# Altium PCB JTAG批量下载板-V1.6-ASCII.PcbDoc (part 12 of 14) (continued)
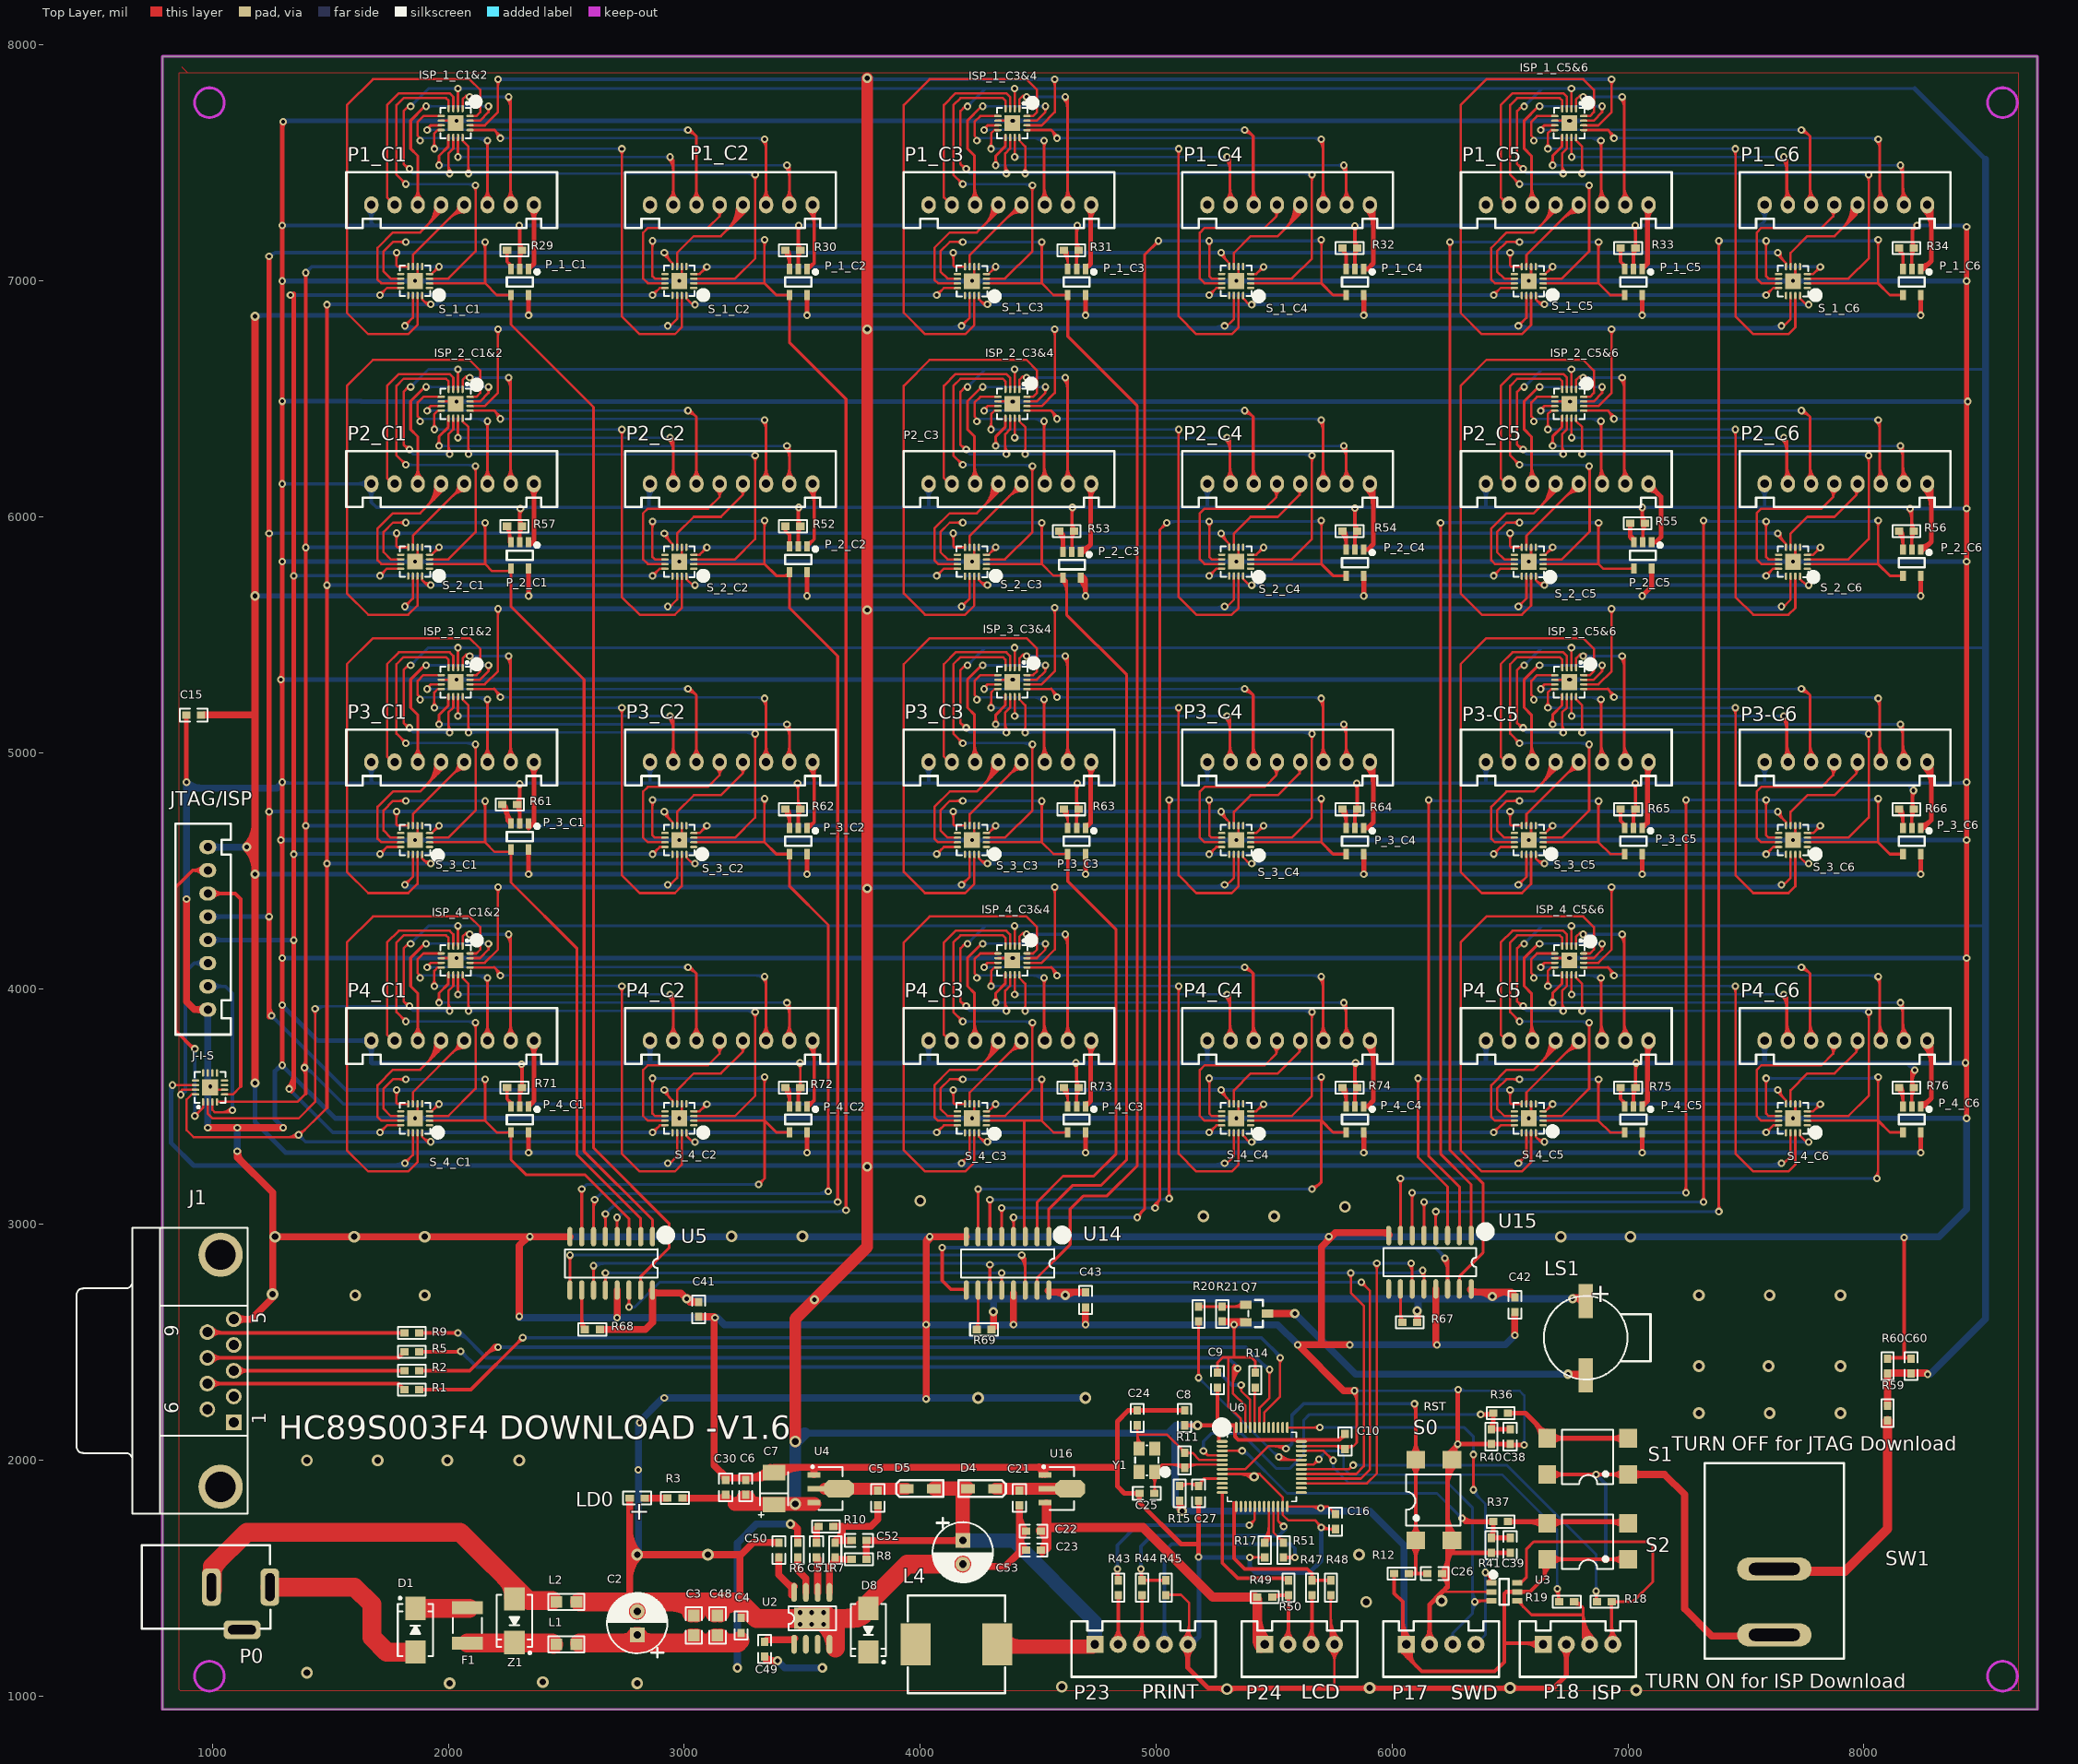
[diagram p0: Top Layer view]
## Nets (pads, with @x,y where several pads share a name; then routed paths per layer and width w, separated by ;. In a path a pad name is that pad's centre, name@x,y a point inside that pad or via, vN(x,y) a via of type N, cw(c..) or ccw(c..) an arc to the next point about the centre after c; other vN are vias at no path point) (continued)
  Top Layer w10: S_3_C1.7@1849.13,4691.05 1849.13,4739.69 P3_C1.4@2064.61,4955.16 ; 2019.39,4909.94 cw(c2066.93,4862.39) P3_C1.4@2066.93,4929.63 ; 2026.27,4916.82 ccw(c1988.45,4954.63) P3_C1.4@2041.93,4954.63 ; 2036.46,4927.01 cw(c2066.93,4896.54) P3_C1.4@2066.93,4939.63 ; 2043.34,4933.89 ccw(c2022.6,4954.63) P3_C1.4@2051.93,4954.63
TCK_3_C2: P3_C2.4 S_3_C2.7 | length 540.3
  Top Layer w10: S_3_C2.7@2969.13,4691.05 2969.13,4749.13 3040,4820 3155,4820 3248.03,4913.03 ; P3_C2.4@3248.03,4952.83 3248.03,4913.03 ; 3248.03,4913.03 cw(c3270.14,4913.03) 3259.76,4932.55 ccw(c3270.14,4913.03) 3248.03,4913.03 ; 3248.03,4913.03 ccw(c3225.92,4913.03) 3236.3,4932.55 cw(c3225.92,4913.03) 3248.03,4913.03
TCK_3_C3: P3_C3.4 S_3_C3.7 | length 486.1
  Top Layer w10: S_3_C3.7@4209.13,4691.05 4209.13,4739.69 P3_C3.4@4424.61,4955.16 ; 4377.83,4908.38 cw(c4429.13,4857.07) P3_C3.4@4429.13,4929.63 ; 4390.03,4920.58 ccw(c4355.98,4954.63) P3_C3.4@4404.13,4954.63 ; 4394.9,4925.45 cw(c4429.13,4891.21) P3_C3.4@4429.13,4939.63
TCK_3_C4: P3_C4.4 S_3_C4.7 | length 541
  Top Layer w10: S_3_C4.7@5329.13,4691.05 5329.13,4749.13 5400,4820 5515,4820 5608.03,4913.03 P3_C4.4@5608.03,4952.83 ; 5608.03,4912.97 cw(c5628.52,4912.97) 5620.29,4931.74 ccw(c5628.52,4912.97) 5608.03,4912.97 ; 5608.03,4912.97 ccw(c5583.57,4912.97) 5596.76,4933.57 cw(c5583.57,4912.97) 5608.03,4912.97
TCK_3_C5: P3-C5.4 S_3_C5.7 | length 490.3
  Top Layer w10: S_3_C5.7@6569.13,4691.05 6569.13,4739.69 P3-C5.4@6784.61,4955.16 ; 6736.27,4906.82 cw(c6791.34,4851.75) P3-C5.4@6791.34,4929.63 ; 6753.34,4923.89 cw(c6791.34,4885.89) P3-C5.4@6791.34,4939.63 ; 6753.79,4924.34 ccw(c6723.51,4954.63) P3-C5.4@6766.34,4954.63
TCK_3_C6: P3-C6.4 S_3_C6.7 | length 543.1
  Top Layer w10: S_3_C6.7@7689.13,4691.05 7689.13,4749.13 7760,4820 7875,4820 7968.03,4913.03 P3-C6.4@7968.03,4952.83 ; 7968.03,4912.8 cw(c7987.48,4912.8) 7980.9,4931.11 ccw(c7987.48,4912.8) 7968.03,4912.8 ; 7968.03,4912.8 ccw(c7940.25,4912.8) 7957.19,4934.82 cw(c7940.25,4912.8) 7968.03,4912.8
TCK_4_C1: P4_C1.4 S_4_C1.7 | length 484
  Top Layer w10: S_4_C1.7@1849.13,3511.05 1849.13,3559.68 P4_C1.4@2064.61,3775.16 ; 2017.5,3728.06 cw(c2066.93,3678.63) P4_C1.4@2066.93,3748.53 ; 2027.05,3737.6 ccw(c1991.11,3773.53) P4_C1.4@2041.93,3773.53 ; 2034.58,3745.13 cw(c2066.93,3712.77) P4_C1.4@2066.93,3758.53
TCK_4_C2: P4_C2.4 S_4_C2.7 | length 534.4
  Top Layer w10: S_4_C2.7@2969.13,3511.05 2969.13,3569.13 3040,3640 3155,3640 3248.03,3733.03 ; P4_C2.4@3248.03,3772.83 3248.03,3733.03 ; 3248.03,3733.03 cw(c3268.33,3733.03) 3259.23,3751.18 ccw(c3268.33,3733.03) 3248.03,3733.03 ; 3248.03,3733.03 ccw(c3227.73,3733.03) 3236.83,3751.18 cw(c3227.73,3733.03) 3248.03,3733.03
TCK_4_C3: P4_C3.4 S_4_C3.7 | length 488.2
  Top Layer w10: S_4_C3.7@4209.13,3511.05 4209.13,3559.68 P4_C3.4@4424.61,3775.16 ; 4375.95,3726.5 cw(c4429.13,3673.31) P4_C3.4@4429.13,3748.53 ; 4390.81,3741.36 ccw(c4358.64,3773.53) P4_C3.4@4404.13,3773.53 ; 4393.02,3743.57 cw(c4429.13,3707.45) P4_C3.4@4429.13,3758.53
TCK_4_C4: P4_C4.4 S_4_C4.7 | length 535.2
  Top Layer w10: S_4_C4.7@5329.13,3511.05 5329.13,3569.13 5400,3640 5515,3640 5608.03,3733.03 P4_C4.4@5608.03,3772.83 ; 5608.03,3732.97 cw(c5626.86,3732.97) 5619.72,3750.4 ccw(c5626.86,3732.97) 5608.03,3732.97 ; 5608.03,3732.97 ccw(c5585.56,3732.97) 5597.24,3752.17 cw(c5585.56,3732.97) 5608.03,3732.97
TCK_4_C5: P4_C5.4 S_4_C5.7 | length 492.4
  Top Layer w10: S_4_C5.7@6569.13,3511.05 6569.13,3559.68 P4_C5.4@6784.61,3775.16 ; 6734.39,3724.94 cw(c6791.34,3667.99) P4_C5.4@6791.34,3748.53 ; 6751.46,3742.01 cw(c6791.34,3702.13) P4_C5.4@6791.34,3758.53 ; 6754.57,3745.12 ccw(c6726.17,3773.53) P4_C5.4@6766.34,3773.53
TCK_4_C6: P4_C6.4 S_4_C6.7 | length 537.3
  Top Layer w10: S_4_C6.7@7689.13,3511.05 7689.13,3569.13 7760,3640 7875,3640 7968.03,3733.03 P4_C6.4@7968.03,3772.83 ; 7968.03,3732.79 cw(c7985.95,3732.79) 7980.31,3749.8 ccw(c7985.95,3732.79) 7968.03,3732.79 ; 7968.03,3732.79 ccw(c7942.44,3732.79) 7957.62,3753.4 cw(c7942.44,3732.79) 7968.03,3732.79
TDI_1_C1: ISP_1_C1&2.5 P1_C1.3 | length 1060.5
  Top Layer w10: v1@1880,7605.55 1870,7615.55 1870,7675 1894.06,7699.06 ISP_1_C1&2.5@1969.45,7699.06
  Top Layer w12: P1_C1.3@2148.38,7345.81 ccw(c2107.41,7386.78) 2165.35,7386.78 ccw(c2223.3,7386.78) P1_C1.3@2182.33,7345.81 ; v1(2165,7595.55) 2165.35,7595.2 P1_C1.3@2165.35,7322.83 ; v1@2157.93,7588.48 cw(c2140,7570.55) 2165.35,7570.55 ccw(c2140,7570.55) v1@2157.93,7588.48 ; 2165.35,7572.27 cw(c2188.29,7572.27) 2172.07,7588.48 ccw(c2188.29,7572.27) 2165.35,7572.27
  Bottom Layer w10: v1@1880,7605.55 v1@2165,7605.55 ; 2114.3,7605.55 cw(c2114.3,7544.85) 2157.22,7587.77 ccw(c2114.3,7544.85) 2114.3,7605.55 ; 2138.44,7605.55 cw(c2138.44,7568.99) 2164.29,7594.84 ccw(c2138.44,7568.99) 2138.44,7605.55
  other v1: 1880,7595
TDI_1_C1_1: ISP_1_C1&2.4 S_1_C1.3 | length 1600.8
  Top Layer w10: v1@1809,7410.55 ccw(c1782.44,7410.55) 1801.22,7429.33 ccw(c1820,7448.11) v1@1820,7421.55 ; v1(1820,7410.55) 1780,7450.55 1780,7745.55 1810,7775.55 1990,7775.55 2000.94,7764.61 ISP_1_C1&2.4@2000.94,7730.55 ; S_1_C1.3@1920,7009.92 1999.37,7009.92 2115,7125.55 v1(2115,7405.55) ; v1@2107.22,7397.77 cw(c2088.44,7378.99) 2115,7378.99 cw(c2141.56,7378.99) v1@2122.78,7397.77
  Bottom Layer w10: v1(1820,7410.55) v1@2115,7410.55 ; v1@1827.78,7402.77 cw(c1846.56,7383.99) 1846.56,7410.55 cw(c1846.56,7437.11) v1@1827.78,7418.33 ; 2076.37,7410.55 cw(c2076.37,7366.92) v1@2107.22,7397.77
TDI_1_C2: ISP_1_C1&2.13 P1_C2.3 | length 1914.5
  Top Layer w10: ISP_1_C1&2.13@2091.5,7640 2195.55,7640 v1@2230,7605.55 ; 2194.15,7641.4 cw(c2158.3,7605.55) 2209,7605.55 ccw(c2158.3,7605.55) 2194.15,7641.4 ; 2211.22,7624.33 cw(c2192.44,7605.55) 2219,7605.55 ccw(c2192.44,7605.55) 2211.22,7624.33
  Top Layer w12: P1_C2.3@3329.49,7345.81 ccw(c3288.52,7386.78) 3346.46,7386.78 ccw(c3404.4,7386.78) P1_C2.3@3363.43,7345.81 ; v1@3332.93,7593.48 cw(c3300.27,7560.82) 3346.46,7560.82 ; v1(3340,7600.55) 3346.46,7594.09 P1_C2.3@3346.46,7322.83
  Bottom Layer w10: v1(2220,7605.55) v1@3335,7605.55 ; 3301.37,7605.55 cw(c3301.37,7561.92) v1@3332.22,7592.77 ; 2246.56,7605.55 cw(c2246.56,7632.11) 2227.78,7613.33 ccw(c2246.56,7632.11) 2246.56,7605.55 ; 2246.56,7605.55 ccw(c2246.56,7578.99) 2227.78,7597.77 cw(c2246.56,7578.99) 2246.56,7605.55
TDI_1_C2_1: ISP_1_C1&2.12 S_1_C2.3 | length 2224.9
  Top Layer w10: ISP_1_C1&2.12@2060,7608.5 2060,7595.55 2085,7570.55 v1(2085,7455.55) ; v1@2077.22,7463.33 ccw(c2058.44,7482.11) 2085,7482.11 ccw(c2111.56,7482.11) v1@2092.78,7463.33 ; S_1_C2.3@3040,7009.92 3214.37,7009.92 3300,7095.55 v1(3300,7450.55) ; v1@3292.22,7442.77 cw(c3273.44,7423.99) 3300,7423.99 cw(c3326.56,7423.99) v1@3307.78,7442.77
  Bottom Layer w10: v1(2085,7455.55) v1@3295,7455.55 ; 3261.37,7455.55 cw(c3261.37,7411.92) v1@3292.22,7442.77 ; 2111.56,7455.55 cw(c2111.56,7482.11) 2092.78,7463.33 ccw(c2111.56,7482.11) 2111.56,7455.55 ; 2111.56,7455.55 ccw(c2111.56,7428.99) 2092.78,7447.77 cw(c2111.56,7428.99) 2111.56,7455.55
TDI_1_C3: ISP_1_C3&4.5 P1_C3.3 | length 1089.2
  Top Layer w10: v1@4240,7605.55 4230,7615.55 4230,7675 4254.06,7699.06 ISP_1_C3&4.5@4329.45,7699.06
  Top Layer w12: P1_C3.3@4510.59,7345.81 ccw(c4474.94,7381.45) 4525.35,7381.45 ; v1(4525,7595.55) 4525.35,7595.2 P1_C3.3@4525.35,7322.83 ; 4525.35,7363.13 ccw(c4561.85,7363.13) P1_C3.3@4536.04,7337.32 ; 4525.35,7392.1 ccw(c4590.82,7392.1) P1_C3.3@4544.53,7345.81 ; v1@4517.93,7588.48 cw(c4500,7570.55) 4525.35,7570.55 ccw(c4500,7570.55) v1@4517.93,7588.48 ; 4525.35,7572.27 cw(c4548.29,7572.27) 4532.07,7588.48 ccw(c4548.29,7572.27) 4525.35,7572.27
  Bottom Layer w10: v1@4240,7605.55 v1@4525,7605.55 ; 4474.3,7605.55 cw(c4474.3,7544.85) 4517.22,7587.77 ccw(c4474.3,7544.85) 4474.3,7605.55 ; 4498.44,7605.55 cw(c4498.44,7568.99) 4524.29,7594.84 ccw(c4498.44,7568.99) 4498.44,7605.55
  other v1: 4240,7595
TDI_1_C3_1: ISP_1_C3&4.4 S_1_C3.3 | length 1600.8
  Top Layer w10: v1@4169,7410.55 ccw(c4142.44,7410.55) 4161.22,7429.33 ccw(c4180,7448.11) v1@4180,7421.55 ; v1(4180,7410.55) 4140,7450.55 4140,7745.55 4170,7775.55 4350,7775.55 4360.94,7764.61 ISP_1_C3&4.4@4360.94,7730.55 ; S_1_C3.3@4280,7009.92 4359.37,7009.92 4475,7125.55 v1(4475,7405.55) ; v1@4467.22,7397.77 cw(c4448.44,7378.99) 4475,7378.99 cw(c4501.56,7378.99) v1@4482.78,7397.77
  Bottom Layer w10: v1(4180,7410.55) v1@4475,7410.55 ; v1@4187.78,7402.77 cw(c4206.56,7383.99) 4206.56,7410.55 cw(c4206.56,7437.11) v1@4187.78,7418.33 ; 4436.37,7410.55 cw(c4436.37,7366.92) v1@4467.22,7397.77
TDI_1_C4: ISP_1_C3&4.13 P1_C4.3 | length 1943.2
  Top Layer w10: ISP_1_C3&4.13@4451.5,7640 4555.55,7640 v1@4590,7605.55 ; 4554.15,7641.4 cw(c4518.3,7605.55) 4569,7605.55 ccw(c4518.3,7605.55) 4554.15,7641.4 ; 4571.22,7624.33 cw(c4552.44,7605.55) 4579,7605.55 ccw(c4552.44,7605.55) 4571.22,7624.33
  Top Layer w12: P1_C4.3@5691.69,7345.81 ccw(c5656.04,7381.45) 5706.46,7381.45 ; v1@5692.93,7593.48 cw(c5660.27,7560.82) 5706.46,7560.82 ; v1(5700,7600.55) 5706.46,7594.09 P1_C4.3@5706.46,7322.83 ; 5706.46,7363.13 ccw(c5742.95,7363.13) P1_C4.3@5717.15,7337.32 ; 5706.46,7392.1 ccw(c5771.93,7392.1) P1_C4.3@5725.63,7345.81
  Bottom Layer w10: v1(4580,7605.55) v1@5695,7605.55 ; 5661.37,7605.55 cw(c5661.37,7561.92) v1@5692.22,7592.77 ; 4606.56,7605.55 cw(c4606.56,7632.11) 4587.78,7613.33 ccw(c4606.56,7632.11) 4606.56,7605.55 ; 4606.56,7605.55 ccw(c4606.56,7578.99) 4587.78,7597.77 cw(c4606.56,7578.99) 4606.56,7605.55
TDI_1_C4_1: ISP_1_C3&4.12 S_1_C4.3 | length 2224.9
  Top Layer w10: ISP_1_C3&4.12@4420,7608.45 4420,7595.55 4445,7570.55 v1(4445,7455.55) ; v1@4437.22,7463.33 ccw(c4418.44,7482.11) 4445,7482.11 ccw(c4471.56,7482.11) v1@4452.78,7463.33 ; S_1_C4.3@5400,7009.87 5574.37,7009.92 5660,7095.55 v1(5660,7450.55) ; v1@5652.22,7442.77 cw(c5633.44,7423.99) 5660,7423.99 cw(c5686.56,7423.99) v1@5667.78,7442.77
  Bottom Layer w10: v1(4445,7455.55) v1@5655,7455.55 ; 5621.37,7455.55 cw(c5621.37,7411.92) v1@5652.22,7442.77 ; 4471.56,7455.55 cw(c4471.56,7482.11) 4452.78,7463.33 ccw(c4471.56,7482.11) 4471.56,7455.55 ; 4471.56,7455.55 ccw(c4471.56,7428.99) 4452.78,7447.77 cw(c4471.56,7428.99) 4471.56,7455.55
TDI_1_C5: ISP_1_C5&6.5 P1_C5.3 | length 1095.1
  Top Layer w10: v1@6600,7605.55 6590,7615.55 6590,7675 6614.06,7699.06 ISP_1_C5&6.5@6689.45,7699.06
  Top Layer w12: P1_C5.3@6872.79,7345.81 ccw(c6842.47,7376.13) 6885.35,7376.13 ; v1(6885,7595.55) 6885.35,7595.2 P1_C5.3@6885.35,7322.83 ; 6885.35,7368.45 ccw(c6929.38,7368.45) P1_C5.3@6898.25,7337.32 ; 6885.35,7397.42 ccw(c6958.35,7397.42) P1_C5.3@6906.73,7345.81 ; v1@6877.93,7588.48 cw(c6860,7570.55) 6885.35,7570.55 ccw(c6860,7570.55) v1@6877.93,7588.48 ; 6885.35,7572.27 cw(c6908.29,7572.27) 6892.07,7588.48 ccw(c6908.29,7572.27) 6885.35,7572.27
  Bottom Layer w10: v1@6600,7605.55 v1@6885,7605.55 ; 6834.3,7605.55 cw(c6834.3,7544.85) 6877.22,7587.77 ccw(c6834.3,7544.85) 6834.3,7605.55 ; 6858.44,7605.55 cw(c6858.44,7568.99) 6884.29,7594.84 ccw(c6858.44,7568.99) 6858.44,7605.55
  other v1: 6600,7595
TDI_1_C5_1: ISP_1_C5&6.4 S_1_C5.3 | length 1600.8
  Top Layer w10: v1@6529,7410.55 ccw(c6502.44,7410.55) 6521.22,7429.33 ccw(c6540,7448.11) v1@6540,7421.55 ; v1(6540,7410.55) 6500,7450.55 6500,7745.55 6530,7775.55 6710,7775.55 6720.94,7764.61 ISP_1_C5&6.4@6720.94,7730.55 ; S_1_C5.3@6640,7009.92 6719.37,7009.92 6835,7125.55 v1(6835,7405.55) ; v1@6827.22,7397.77 cw(c6808.44,7378.99) 6835,7378.99 cw(c6861.56,7378.99) v1@6842.78,7397.77
  Bottom Layer w10: v1(6540,7410.55) v1@6835,7410.55 ; v1@6547.78,7402.77 cw(c6566.56,7383.99) 6566.56,7410.55 cw(c6566.56,7437.11) v1@6547.78,7418.33 ; 6796.37,7410.55 cw(c6796.37,7366.92) v1@6827.22,7397.77
TDI_1_C6: ISP_1_C5&6.13 P1_C6.3 | length 1949.1
  Top Layer w10: ISP_1_C5&6.13@6811.5,7640 6915.55,7640 v1@6950,7605.55 ; 6914.15,7641.4 cw(c6878.3,7605.55) 6929,7605.55 ccw(c6878.3,7605.55) 6914.15,7641.4 ; 6931.22,7624.33 cw(c6912.44,7605.55) 6939,7605.55 ccw(c6912.44,7605.55) 6931.22,7624.33
  Top Layer w12: v1@8052.93,7593.48 cw(c8020.27,7560.82) 8066.46,7560.82 ; P1_C6.3@8053.9,7345.81 ccw(c8023.57,7376.13) 8066.46,7376.13 ; v1(8060,7600.55) 8066.46,7594.09 P1_C6.3@8066.46,7322.83 ; 8066.46,7368.45 ccw(c8110.48,7368.45) P1_C6.3@8079.35,7337.32 ; 8066.46,7397.42 ccw(c8139.45,7397.42) P1_C6.3@8087.84,7345.81
  Bottom Layer w10: v1(6940,7605.55) v1@8055,7605.55 ; 8021.37,7605.55 cw(c8021.37,7561.92) v1@8052.22,7592.77 ; 6966.56,7605.55 cw(c6966.56,7632.11) 6947.78,7613.33 ccw(c6966.56,7632.11) 6966.56,7605.55 ; 6966.56,7605.55 ccw(c6966.56,7578.99) 6947.78,7597.77 cw(c6966.56,7578.99) 6966.56,7605.55
TDI_1_C6_1: ISP_1_C5&6.12 S_1_C6.3 | length 2224.9
  Top Layer w10: ISP_1_C5&6.12@6780,7608.45 6780,7595.55 6805,7570.55 v1(6805,7455.55) ; v1@6797.22,7463.33 ccw(c6778.44,7482.11) 6805,7482.11 ccw(c6831.56,7482.11) v1@6812.78,7463.33 ; S_1_C6.3@7760,7009.92 7934.37,7009.92 8020,7095.55 v1(8020,7450.55) ; v1@8012.22,7442.77 cw(c7993.44,7423.99) 8020,7423.99 cw(c8046.56,7423.99) v1@8027.78,7442.77
  Bottom Layer w10: v1(6805,7455.55) v1@8015,7455.55 ; 7981.37,7455.55 cw(c7981.37,7411.92) v1@8012.22,7442.77 ; 6831.56,7455.55 cw(c6831.56,7482.11) 6812.78,7463.33 ccw(c6831.56,7482.11) 6831.56,7455.55 ; 6831.56,7455.55 ccw(c6831.56,7428.99) 6812.78,7447.77 cw(c6831.56,7428.99) 6831.56,7455.55
TDI_2_C1: ISP_2_C1&2.5 P2_C1.3 | length 1060.5
  Top Layer w10: v1@1880,6415.55 1870,6425.55 1870,6485 1894.06,6509.06 ISP_2_C1&2.5@1969.45,6509.06
  Top Layer w12: P2_C1.3@2148.38,6162.97 ccw(c2107.41,6203.94) 2165.35,6203.94 ccw(c2223.3,6203.94) P2_C1.3@2182.33,6162.97 ; v1(2165,6405.55) 2165.35,6405.2 P2_C1.3@2165.35,6132.83 ; v1@2157.93,6398.48 cw(c2140,6380.55) 2165.35,6380.55 ccw(c2140,6380.55) v1@2157.93,6398.48 ; 2165.35,6382.27 cw(c2188.29,6382.27) 2172.07,6398.48 ccw(c2188.29,6382.27) 2165.35,6382.27
  Bottom Layer w10: v1@1880,6415.55 v1@2165,6415.55 ; 2114.3,6415.55 cw(c2114.3,6354.85) 2157.22,6397.77 ccw(c2114.3,6354.85) 2114.3,6415.55 ; 2138.44,6415.55 cw(c2138.44,6378.99) 2164.29,6404.84 ccw(c2138.44,6378.99) 2138.44,6415.55
  other v1: 1880,6405
TDI_2_C1_1: ISP_2_C1&2.4 S_2_C1.3 | length 1600.8
  Top Layer w10: v1@1809,6220.55 ccw(c1782.44,6220.55) 1801.22,6239.33 ccw(c1820,6258.11) v1@1820,6231.55 ; v1(1820,6220.55) 1780,6260.55 1780,6555.55 1810,6585.55 1990,6585.55 2000.94,6574.61 ISP_2_C1&2.4@2000.94,6540.55 ; S_2_C1.3@1920,5819.87 1999.37,5819.92 2115,5935.55 v1(2115,6215.55) ; v1@2107.22,6207.77 cw(c2088.44,6188.99) 2115,6188.99 cw(c2141.56,6188.99) v1@2122.78,6207.77
  Bottom Layer w10: v1(1820,6220.55) v1@2115,6220.55 ; v1@1827.78,6212.77 cw(c1846.56,6193.99) 1846.56,6220.55 cw(c1846.56,6247.11) v1@1827.78,6228.33 ; 2076.37,6220.55 cw(c2076.37,6176.92) v1@2107.22,6207.77
TDI_2_C2: ISP_2_C1&2.13 P2_C2.3 | length 1914.5
  Top Layer w10: ISP_2_C1&2.13@2091.5,6450 2195.55,6450 v1@2230,6415.55 ; 2194.15,6451.4 cw(c2158.3,6415.55) 2209,6415.55 ccw(c2158.3,6415.55) 2194.15,6451.4 ; 2211.22,6434.33 cw(c2192.44,6415.55) 2219,6415.55 ccw(c2192.44,6415.55) 2211.22,6434.33
  Top Layer w12: P2_C2.3@3329.49,6162.97 ccw(c3288.52,6203.94) 3346.46,6203.94 ccw(c3404.4,6203.94) P2_C2.3@3363.43,6162.97 ; v1@3332.93,6403.48 cw(c3300.27,6370.82) 3346.46,6370.82 ; v1(3340,6410.55) 3346.46,6404.09 P2_C2.3@3346.46,6132.83
  Bottom Layer w10: v1(2220,6415.55) v1@3335,6415.55 ; 3301.37,6415.55 cw(c3301.37,6371.92) v1@3332.22,6402.77 ; 2246.56,6415.55 cw(c2246.56,6442.11) 2227.78,6423.33 ccw(c2246.56,6442.11) 2246.56,6415.55 ; 2246.56,6415.55 ccw(c2246.56,6388.99) 2227.78,6407.77 cw(c2246.56,6388.99) 2246.56,6415.55
TDI_2_C2_1: ISP_2_C1&2.12 S_2_C2.3 | length 2224.9
  Top Layer w10: ISP_2_C1&2.12@2060,6418.45 2060,6405.55 2085,6380.55 v1(2085,6265.55) ; v1@2077.22,6273.33 ccw(c2058.44,6292.11) 2085,6292.11 ccw(c2111.56,6292.11) v1@2092.78,6273.33 ; S_2_C2.3@3040,5819.92 3214.37,5819.92 3300,5905.55 v1(3300,6260.55) ; v1@3292.22,6252.77 cw(c3273.44,6233.99) 3300,6233.99 cw(c3326.56,6233.99) v1@3307.78,6252.77
  Bottom Layer w10: v1(2085,6265.55) v1@3295,6265.55 ; 3261.37,6265.55 cw(c3261.37,6221.92) v1@3292.22,6252.77 ; 2111.56,6265.55 cw(c2111.56,6292.11) 2092.78,6273.33 ccw(c2111.56,6292.11) 2111.56,6265.55 ; 2111.56,6265.55 ccw(c2111.56,6238.99) 2092.78,6257.77 cw(c2111.56,6238.99) 2111.56,6265.55
TDI_2_C3: ISP_2_C3&4.5 P2_C3.3 | length 1089.2
  Top Layer w10: v1@4240,6415.55 4230,6425.55 4230,6485 4254.06,6509.06 ISP_2_C3&4.5@4329.45,6509.06
  Top Layer w12: P2_C3.3@4510.59,6162.97 ccw(c4474.94,6198.62) 4525.35,6198.62 ; v1(4525,6405.55) 4525.35,6405.2 P2_C3.3@4525.35,6132.83 ; 4525.35,6180.29 ccw(c4561.85,6180.29) P2_C3.3@4536.04,6154.49 ; 4525.35,6209.26 ccw(c4590.82,6209.26) P2_C3.3@4544.53,6162.97 ; v1@4517.93,6398.48 cw(c4500,6380.55) 4525.35,6380.55 ccw(c4500,6380.55) v1@4517.93,6398.48 ; 4525.35,6382.27 cw(c4548.29,6382.27) 4532.07,6398.48 ccw(c4548.29,6382.27) 4525.35,6382.27
  Bottom Layer w10: v1@4240,6415.55 v1@4525,6415.55 ; 4474.3,6415.55 cw(c4474.3,6354.85) 4517.22,6397.77 ccw(c4474.3,6354.85) 4474.3,6415.55 ; 4498.44,6415.55 cw(c4498.44,6378.99) 4524.29,6404.84 ccw(c4498.44,6378.99) 4498.44,6415.55
  other v1: 4240,6405
TDI_2_C3_1: ISP_2_C3&4.4 S_2_C3.3 | length 1642.5
  Top Layer w10: v1@4169,6220.55 ccw(c4142.44,6220.55) 4161.22,6239.33 ccw(c4180,6258.11) v1@4180,6231.55 ; v1(4180,6220.55) 4140,6260.55 4140,6555.55 4170,6585.55 4350,6585.55 4360.94,6574.61 ISP_2_C3&4.4@4360.94,6540.55 ; S_2_C3.3@4280,5819.92 4359.37,5819.92 4475,5935.55 v1(4475,6215.55) ; 4475,6188.99 cw(c4501.56,6188.99) 4482.78,6207.77 ccw(c4501.56,6188.99) 4475,6188.99 ; 4475,6188.99 ccw(c4448.44,6188.99) 4467.22,6207.77 cw(c4448.44,6188.99) 4475,6188.99
  Bottom Layer w10: v1(4180,6220.55) v1@4475,6220.55 ; v1@4187.78,6212.77 cw(c4206.56,6193.99) 4206.56,6220.55 cw(c4206.56,6247.11) v1@4187.78,6228.33 ; 4436.37,6220.55 cw(c4436.37,6176.92) v1@4467.22,6207.77
TDI_2_C4: ISP_2_C3&4.13 P2_C4.3 | length 1943.2
  Top Layer w10: ISP_2_C3&4.13@4451.5,6450 4555.55,6450 v1@4590,6415.55 ; 4554.15,6451.4 cw(c4518.3,6415.55) 4569,6415.55 ccw(c4518.3,6415.55) 4554.15,6451.4 ; 4571.22,6434.33 cw(c4552.44,6415.55) 4579,6415.55 ccw(c4552.44,6415.55) 4571.22,6434.33
  Top Layer w12: P2_C4.3@5691.69,6162.97 ccw(c5656.04,6198.62) 5706.46,6198.62 ; v1@5692.93,6403.48 cw(c5660.27,6370.82) 5706.46,6370.82 ; v1(5700,6410.55) 5706.46,6404.09 P2_C4.3@5706.46,6132.83 ; 5706.46,6180.29 ccw(c5742.95,6180.29) P2_C4.3@5717.15,6154.49 ; 5706.46,6209.26 ccw(c5771.93,6209.26) P2_C4.3@5725.63,6162.97
  Bottom Layer w10: v1(4580,6415.55) v1@5695,6415.55 ; 5661.37,6415.55 cw(c5661.37,6371.92) v1@5692.22,6402.77 ; 4606.56,6415.55 cw(c4606.56,6442.11) 4587.78,6423.33 ccw(c4606.56,6442.11) 4606.56,6415.55 ; 4606.56,6415.55 ccw(c4606.56,6388.99) 4587.78,6407.77 cw(c4606.56,6388.99) 4606.56,6415.55
TDI_2_C4_1: ISP_2_C3&4.12 S_2_C4.3 | length 2224.9
  Top Layer w10: ISP_2_C3&4.12@4420,6418.45 4420,6405.55 4445,6380.55 v1(4445,6265.55) ; v1@4437.22,6273.33 ccw(c4418.44,6292.11) 4445,6292.11 ccw(c4471.56,6292.11) v1@4452.78,6273.33 ; S_2_C4.3@5400,5819.87 5574.37,5819.92 5660,5905.55 v1(5660,6260.55) ; v1@5652.22,6252.77 cw(c5633.44,6233.99) 5660,6233.99 cw(c5686.56,6233.99) v1@5667.78,6252.77
  Bottom Layer w10: v1(4445,6265.55) v1@5655,6265.55 ; 5621.37,6265.55 cw(c5621.37,6221.92) v1@5652.22,6252.77 ; 4471.56,6265.55 cw(c4471.56,6292.11) 4452.78,6273.33 ccw(c4471.56,6292.11) 4471.56,6265.55 ; 4471.56,6265.55 ccw(c4471.56,6238.99) 4452.78,6257.77 cw(c4471.56,6238.99) 4471.56,6265.55
TDI_2_C5: ISP_2_C5&6.5 P2_C5.3 | length 1095.1
  Top Layer w10: v1@6600,6415.55 6590,6425.55 6590,6485 6614.06,6509.06 ISP_2_C5&6.5@6689.45,6509.06
  Top Layer w12: P2_C5.3@6872.79,6162.97 ccw(c6842.47,6193.3) 6885.35,6193.3 ; v1(6885,6405.55) 6885.35,6405.2 P2_C5.3@6885.35,6132.83 ; 6885.35,6185.62 ccw(c6929.38,6185.62) P2_C5.3@6898.25,6154.49 ; 6885.35,6214.59 ccw(c6958.35,6214.59) P2_C5.3@6906.73,6162.97 ; v1@6877.93,6398.48 cw(c6860,6380.55) 6885.35,6380.55 ccw(c6860,6380.55) v1@6877.93,6398.48 ; 6885.35,6382.27 cw(c6908.29,6382.27) 6892.07,6398.48 ccw(c6908.29,6382.27) 6885.35,6382.27
  Bottom Layer w10: v1@6600,6415.55 v1@6885,6415.55 ; 6834.3,6415.55 cw(c6834.3,6354.85) 6877.22,6397.77 ccw(c6834.3,6354.85) 6834.3,6415.55 ; 6858.44,6415.55 cw(c6858.44,6378.99) 6884.29,6404.84 ccw(c6858.44,6378.99) 6858.44,6415.55
  other v1: 6600,6405
TDI_2_C5_1: ISP_2_C5&6.4 S_2_C5.3 | length 1601.7
  Top Layer w10: v1@6529,6220.55 ccw(c6502.44,6220.55) 6521.22,6239.33 ccw(c6540,6258.11) v1@6540,6231.55 ; v1(6540,6220.55) 6500,6260.55 6500,6555.55 6530,6585.55 6710,6585.55 6720.94,6574.61 ISP_2_C5&6.4@6720.94,6540.55 ; S_2_C5.3@6640,5819.92 6719.37,5819.92 6837,5937.55 v1@6837,6215.55 ; v1@6827.22,6207.77 cw(c6803.62,6184.17) 6837,6184.17 ; 6837,6193.82 cw(c6856.73,6193.82) v1@6842.78,6207.77
  Bottom Layer w10: v1(6540,6220.55) v1@6835,6220.55 ; v1@6547.78,6212.77 cw(c6566.56,6193.99) 6566.56,6220.55 cw(c6566.56,6247.11) v1@6547.78,6228.33 ; 6796.37,6220.55 cw(c6796.37,6176.92) v1@6827.22,6207.77
  other v1: 6835,6215.55
TDI_2_C6: ISP_2_C5&6.13 P2_C6.3 | length 1949.1
  Top Layer w10: ISP_2_C5&6.13@6811.5,6450 6915.55,6450 v1@6950,6415.55 ; 6914.15,6451.4 cw(c6878.3,6415.55) 6929,6415.55 ccw(c6878.3,6415.55) 6914.15,6451.4 ; 6931.22,6434.33 cw(c6912.44,6415.55) 6939,6415.55 ccw(c6912.44,6415.55) 6931.22,6434.33
  Top Layer w12: v1@8052.93,6403.48 cw(c8020.27,6370.82) 8066.46,6370.82 ; P2_C6.3@8053.9,6162.97 ccw(c8023.57,6193.3) 8066.46,6193.3 ; v1(8060,6410.55) 8066.46,6404.09 P2_C6.3@8066.46,6132.83 ; 8066.46,6185.62 ccw(c8110.48,6185.62) P2_C6.3@8079.35,6154.49 ; 8066.46,6214.59 ccw(c8139.45,6214.59) P2_C6.3@8087.84,6162.97
  Bottom Layer w10: v1(6940,6415.55) v1@8055,6415.55 ; 8021.37,6415.55 cw(c8021.37,6371.92) v1@8052.22,6402.77 ; 6966.56,6415.55 cw(c6966.56,6442.11) 6947.78,6423.33 ccw(c6966.56,6442.11) 6966.56,6415.55 ; 6966.56,6415.55 ccw(c6966.56,6388.99) 6947.78,6407.77 cw(c6966.56,6388.99) 6966.56,6415.55
TDI_2_C6_1: ISP_2_C5&6.12 S_2_C6.3 | length 2224.9
  Top Layer w10: ISP_2_C5&6.12@6780,6418.45 6780,6405.55 6805,6380.55 v1(6805,6265.55) ; v1@6797.22,6273.33 ccw(c6778.44,6292.11) 6805,6292.11 ccw(c6831.56,6292.11) v1@6812.78,6273.33 ; S_2_C6.3@7760,5819.92 7934.37,5819.92 8020,5905.55 v1(8020,6260.55) ; v1@8012.22,6252.77 cw(c7993.44,6233.99) 8020,6233.99 cw(c8046.56,6233.99) v1@8027.78,6252.77
  Bottom Layer w10: v1(6805,6265.55) v1@8015,6265.55 ; 7981.37,6265.55 cw(c7981.37,6221.92) v1@8012.22,6252.77 ; 6831.56,6265.55 cw(c6831.56,6292.11) 6812.78,6273.33 ccw(c6831.56,6292.11) 6831.56,6265.55 ; 6831.56,6265.55 ccw(c6831.56,6238.99) 6812.78,6257.77 cw(c6831.56,6238.99) 6831.56,6265.55
TDI_3_C1: ISP_3_C1&2.5 P3_C1.3 | length 1060.5
  Top Layer w10: v1@1880,5235.55 1870,5245.55 1870,5305 1894.06,5329.06 ISP_3_C1&2.5@1969.45,5329.06
  Top Layer w12: P3_C1.3@2148.38,4983.6 ccw(c2107.41,5024.57) 2165.35,5024.57 ccw(c2223.3,5024.57) P3_C1.3@2182.33,4983.6 ; v1(2165,5225.55) 2165.35,5225.2 P3_C1.3@2165.35,4952.83 ; v1@2157.93,5218.48 cw(c2140,5200.55) 2165.35,5200.55 ccw(c2140,5200.55) v1@2157.93,5218.48 ; 2165.35,5202.27 cw(c2188.29,5202.27) 2172.07,5218.48 ccw(c2188.29,5202.27) 2165.35,5202.27
  Bottom Layer w10: v1@1880,5235.55 v1@2165,5235.55 ; 2114.3,5235.55 cw(c2114.3,5174.85) 2157.22,5217.77 ccw(c2114.3,5174.85) 2114.3,5235.55 ; 2138.44,5235.55 cw(c2138.44,5198.99) 2164.29,5224.84 ccw(c2138.44,5198.99) 2138.44,5235.55
  other v1: 1880,5225
TDI_3_C1_1: ISP_3_C1&2.4 S_3_C1.3 | length 1600.8
  Top Layer w10: v1@1809,5040.55 ccw(c1782.44,5040.55) 1801.22,5059.33 ccw(c1820,5078.11) v1@1820,5051.55 ; v1(1820,5040.55) 1780,5080.55 1780,5375.55 1810,5405.55 1990,5405.55 2000.94,5394.61 ISP_3_C1&2.4@2000.94,5360.55 ; S_3_C1.3@1920,4639.87 1999.37,4639.92 2115,4755.55 v1(2115,5035.55) ; v1@2107.22,5027.77 cw(c2088.44,5008.99) 2115,5008.99 cw(c2141.56,5008.99) v1@2122.78,5027.77
  Bottom Layer w10: v1(1820,5040.55) v1@2115,5040.55 ; v1@1827.78,5032.77 cw(c1846.56,5013.99) 1846.56,5040.55 cw(c1846.56,5067.11) v1@1827.78,5048.33 ; 2076.37,5040.55 cw(c2076.37,4996.92) v1@2107.22,5027.77
TDI_3_C2: ISP_3_C1&2.13 P3_C2.3 | length 1914.5
  Top Layer w10: ISP_3_C1&2.13@2091.5,5270 2195.55,5270 v1@2230,5235.55 ; 2194.15,5271.4 cw(c2158.3,5235.55) 2209,5235.55 ccw(c2158.3,5235.55) 2194.15,5271.4 ; 2211.22,5254.33 cw(c2192.44,5235.55) 2219,5235.55 ccw(c2192.44,5235.55) 2211.22,5254.33
  Top Layer w12: P3_C2.3@3329.49,4983.6 ccw(c3288.52,5024.57) 3346.46,5024.57 ccw(c3404.4,5024.57) P3_C2.3@3363.43,4983.6 ; v1@3332.93,5223.48 cw(c3300.27,5190.82) 3346.46,5190.82 ; v1(3340,5230.55) 3346.46,5224.09 P3_C2.3@3346.46,4952.83
  Bottom Layer w10: v1(2220,5235.55) v1@3335,5235.55 ; 3301.37,5235.55 cw(c3301.37,5191.92) v1@3332.22,5222.77 ; 2246.56,5235.55 cw(c2246.56,5262.11) 2227.78,5243.33 ccw(c2246.56,5262.11) 2246.56,5235.55 ; 2246.56,5235.55 ccw(c2246.56,5208.99) 2227.78,5227.77 cw(c2246.56,5208.99) 2246.56,5235.55
TDI_3_C2_1: ISP_3_C1&2.12 S_3_C2.3 | length 2224.9
  Top Layer w10: ISP_3_C1&2.12@2060,5238.45 2060,5225.55 2085,5200.55 v1(2085,5085.55) ; v1@2077.22,5093.33 ccw(c2058.44,5112.11) 2085,5112.11 ccw(c2111.56,5112.11) v1@2092.78,5093.33 ; S_3_C2.3@3040,4639.87 3214.37,4639.92 3300,4725.55 v1(3300,5080.55) ; v1@3292.22,5072.77 cw(c3273.44,5053.99) 3300,5053.99 cw(c3326.56,5053.99) v1@3307.78,5072.77
  Bottom Layer w10: v1(2085,5085.55) v1@3295,5085.55 ; 3261.37,5085.55 cw(c3261.37,5041.92) v1@3292.22,5072.77 ; 2111.56,5085.55 cw(c2111.56,5112.11) 2092.78,5093.33 ccw(c2111.56,5112.11) 2111.56,5085.55 ; 2111.56,5085.55 ccw(c2111.56,5058.99) 2092.78,5077.77 cw(c2111.56,5058.99) 2111.56,5085.55
TDI_3_C3: ISP_3_C3&4.5 P3_C3.3 | length 1089.2
  Top Layer w10: v1@4240,5235.55 4230,5245.55 4230,5305 4254.06,5329.06 ISP_3_C3&4.5@4329.45,5329.06
  Top Layer w12: P3_C3.3@4510.59,4983.6 ccw(c4474.94,5019.25) 4525.35,5019.25 ; v1(4525,5225.55) 4525.35,5225.2 P3_C3.3@4525.35,4952.83 ; 4525.35,5000.92 ccw(c4561.85,5000.92) P3_C3.3@4536.04,4975.12 ; 4525.35,5029.89 ccw(c4590.82,5029.89) P3_C3.3@4544.53,4983.6 ; v1@4517.93,5218.48 cw(c4500,5200.55) 4525.35,5200.55 ccw(c4500,5200.55) v1@4517.93,5218.48 ; 4525.35,5202.27 cw(c4548.29,5202.27) 4532.07,5218.48 ccw(c4548.29,5202.27) 4525.35,5202.27
  Bottom Layer w10: v1@4240,5235.55 v1@4525,5235.55 ; 4474.3,5235.55 cw(c4474.3,5174.85) 4517.22,5217.77 ccw(c4474.3,5174.85) 4474.3,5235.55 ; 4498.44,5235.55 cw(c4498.44,5198.99) 4524.29,5224.84 ccw(c4498.44,5198.99) 4498.44,5235.55
  other v1: 4240,5225
TDI_3_C3_1: ISP_3_C3&4.4 S_3_C3.3 | length 1642.5
  Top Layer w10: v1@4169,5040.55 ccw(c4142.44,5040.55) 4161.22,5059.33 ccw(c4180,5078.11) v1@4180,5051.55 ; v1(4180,5040.55) 4140,5080.55 4140,5375.55 4170,5405.55 4350,5405.55 4360.94,5394.61 ISP_3_C3&4.4@4360.94,5360.55 ; S_3_C3.3@4280,4639.87 4359.37,4639.92 4475,4755.55 v1(4475,5035.55) ; 4475,5008.99 cw(c4501.56,5008.99) 4482.78,5027.77 ccw(c4501.56,5008.99) 4475,5008.99 ; 4475,5008.99 ccw(c4448.44,5008.99) 4467.22,5027.77 cw(c4448.44,5008.99) 4475,5008.99
  Bottom Layer w10: v1(4180,5040.55) v1@4475,5040.55 ; v1@4187.78,5032.77 cw(c4206.56,5013.99) 4206.56,5040.55 cw(c4206.56,5067.11) v1@4187.78,5048.33 ; 4436.37,5040.55 cw(c4436.37,4996.92) v1@4467.22,5027.77
TDI_3_C4: ISP_3_C3&4.13 P3_C4.3 | length 1943.2
  Top Layer w10: ISP_3_C3&4.13@4451.5,5270 4555.55,5270 v1@4590,5235.55 ; 4554.15,5271.4 cw(c4518.3,5235.55) 4569,5235.55 ccw(c4518.3,5235.55) 4554.15,5271.4 ; 4571.22,5254.33 cw(c4552.44,5235.55) 4579,5235.55 ccw(c4552.44,5235.55) 4571.22,5254.33
  Top Layer w12: P3_C4.3@5691.69,4983.6 ccw(c5656.04,5019.25) 5706.46,5019.25 ; v1@5692.93,5223.48 cw(c5660.27,5190.82) 5706.46,5190.82 ; v1(5700,5230.55) 5706.46,5224.09 P3_C4.3@5706.46,4952.83 ; 5706.46,5000.92 ccw(c5742.95,5000.92) P3_C4.3@5717.15,4975.12 ; 5706.46,5029.89 ccw(c5771.93,5029.89) P3_C4.3@5725.63,4983.6
  Bottom Layer w10: v1(4580,5235.55) v1@5695,5235.55 ; 5661.37,5235.55 cw(c5661.37,5191.92) v1@5692.22,5222.77 ; 4606.56,5235.55 cw(c4606.56,5262.11) 4587.78,5243.33 ccw(c4606.56,5262.11) 4606.56,5235.55 ; 4606.56,5235.55 ccw(c4606.56,5208.99) 4587.78,5227.77 cw(c4606.56,5208.99) 4606.56,5235.55